# KiCad board ClockFOUR.kicad_pcb (continued)
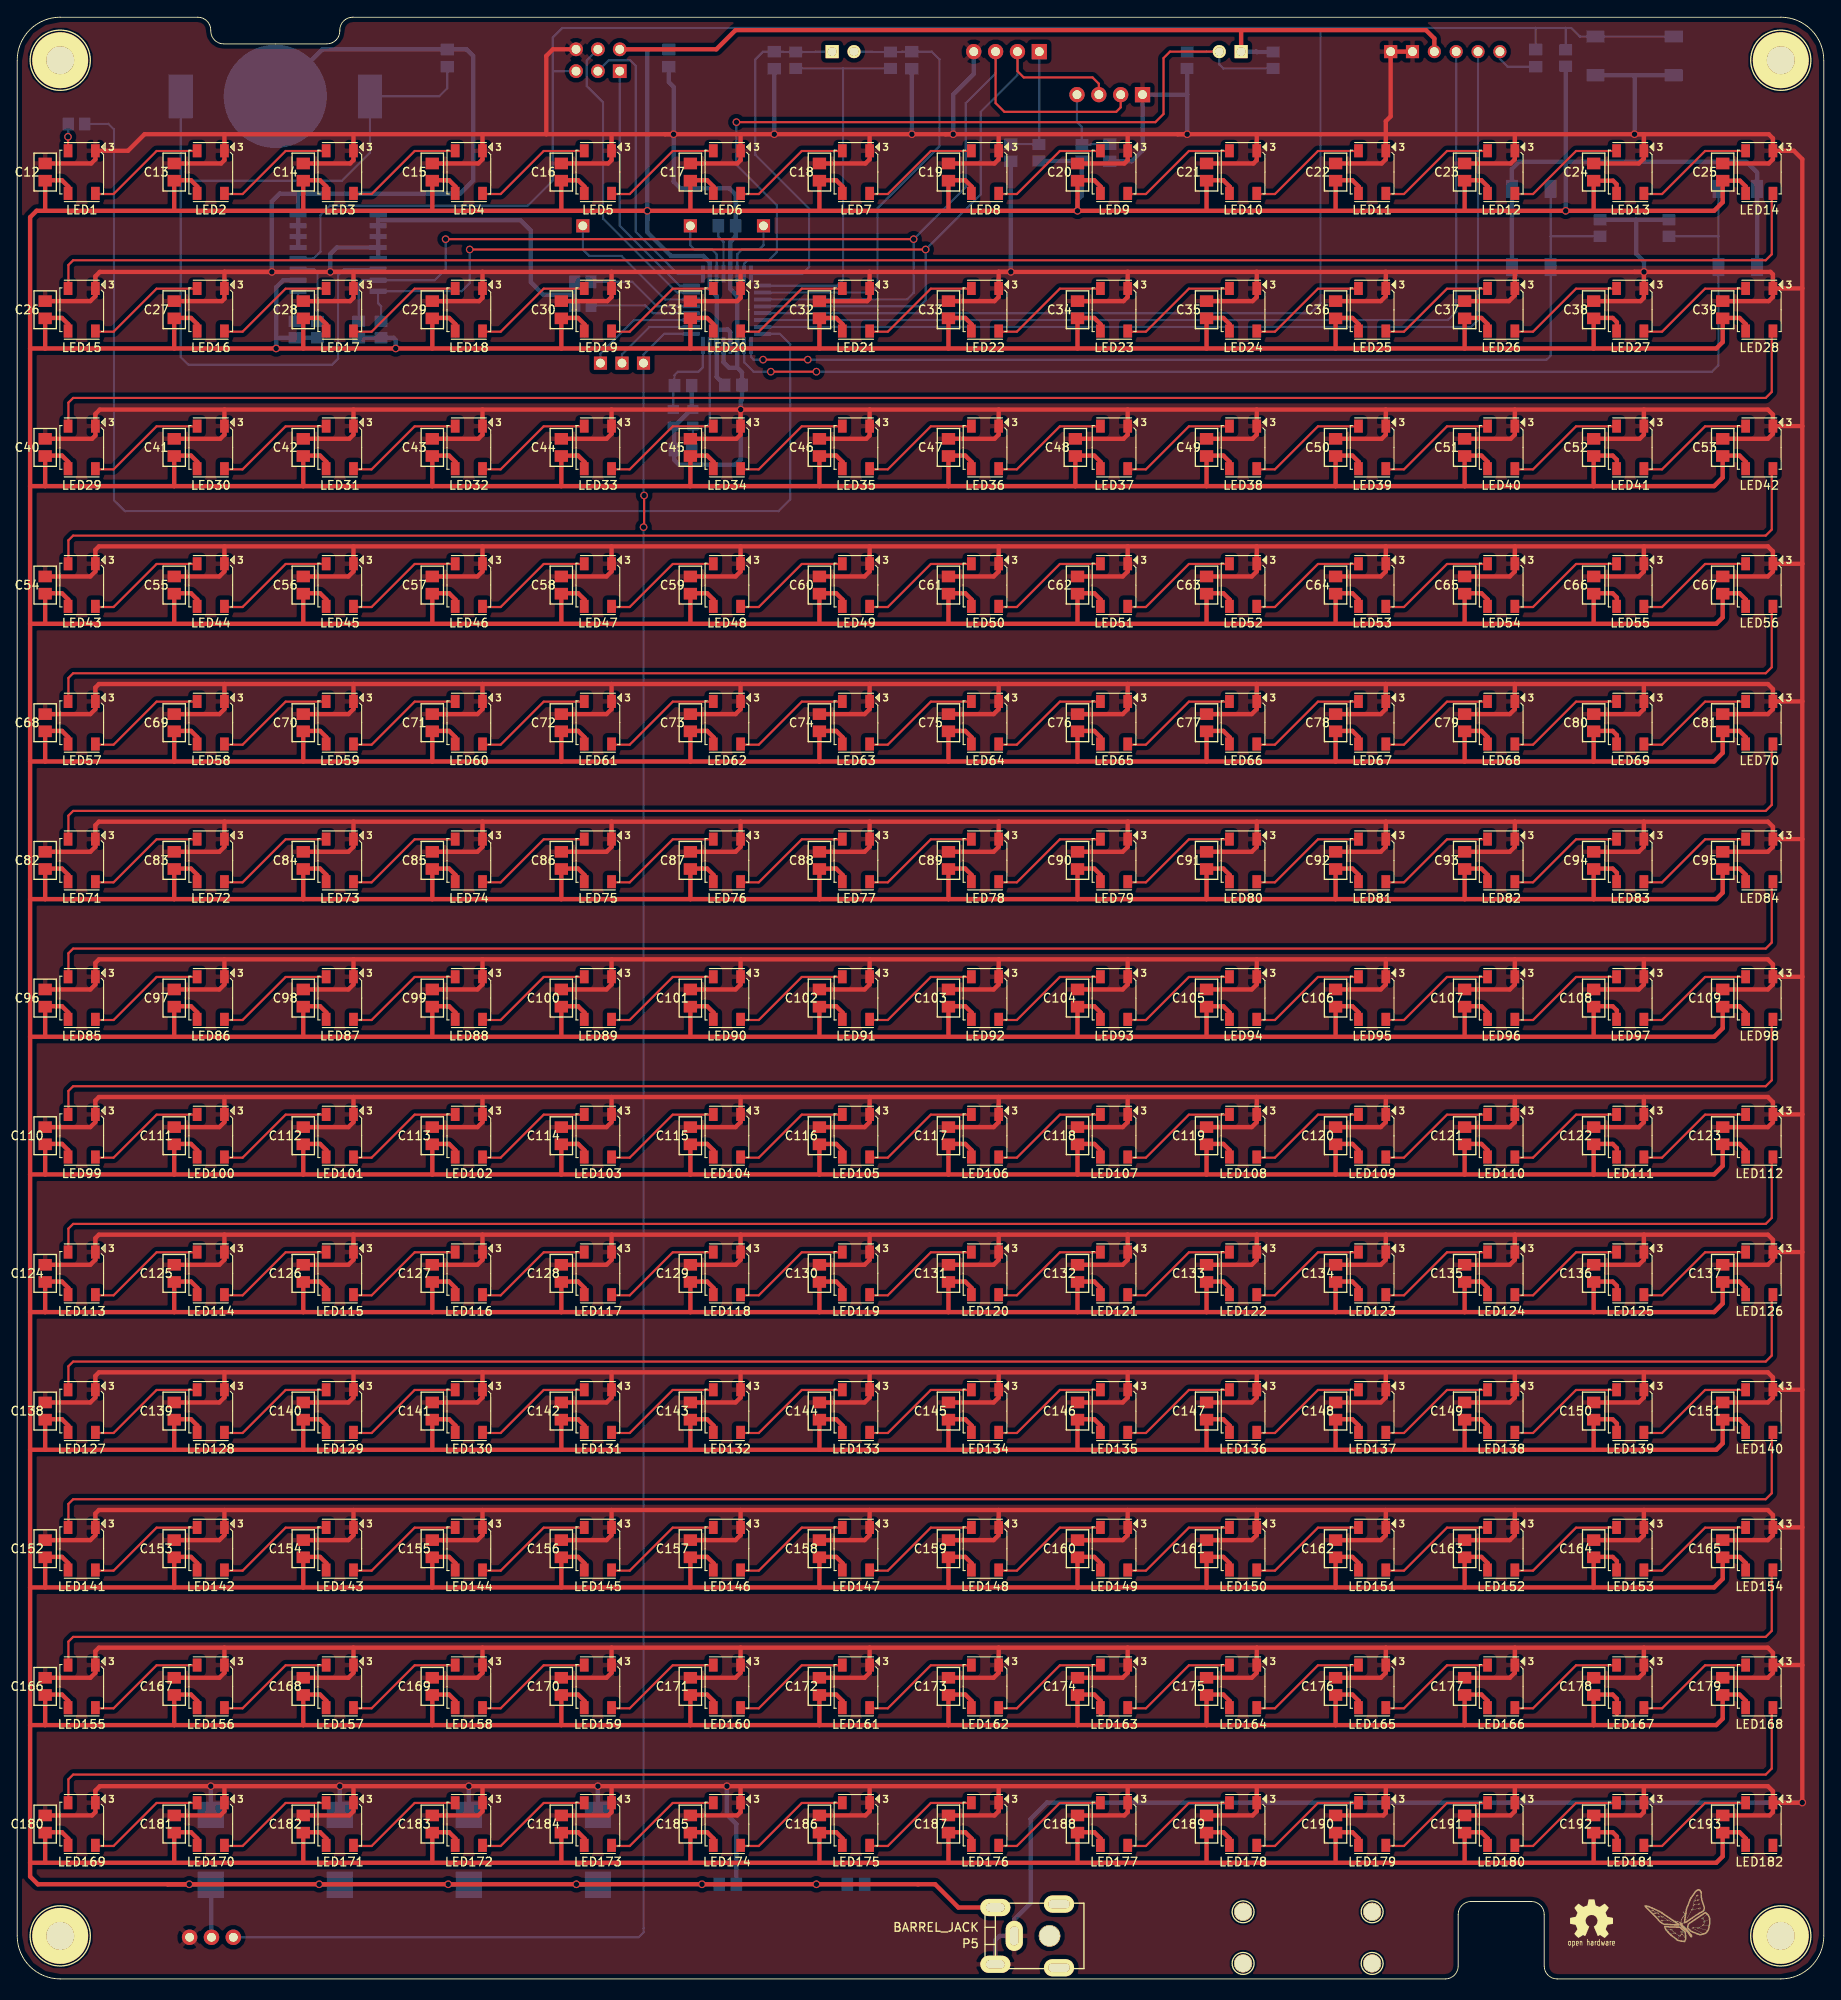
[diagram p0: board, top side]
## Placement (name value [footprint] x y rotation side) (continued)
LED5  WS2812B  [RGB_WS2811B]  67.5 210 0 top
LED6  WS2812B  [RGB_WS2811B]  82.5 210 0 top
LED7  WS2812B  [RGB_WS2811B]  97.5 210 0 top
LED8  WS2812B  [RGB_WS2811B]  112.5 210 0 top
LED9  WS2812B  [RGB_WS2811B]  127.5 210 0 top
LED10  WS2812B  [RGB_WS2811B]  142.5 210 0 top
LED11  WS2812B  [RGB_WS2811B]  157.5 210 0 top
LED12  WS2812B  [RGB_WS2811B]  172.5 210 0 top
LED13  WS2812B  [RGB_WS2811B]  187.5 210 0 top
LED14  WS2812B  [RGB_WS2811B]  202.5 210 0 top
LED15  WS2812B  [RGB_WS2811B]  7.5 194 0 top
LED16  WS2812B  [RGB_WS2811B]  22.5 194 0 top
LED17  WS2812B  [RGB_WS2811B]  37.5 194 0 top
LED18  WS2812B  [RGB_WS2811B]  52.5 194 0 top
LED19  WS2812B  [RGB_WS2811B]  67.5 194 0 top
LED20  WS2812B  [RGB_WS2811B]  82.5 194 0 top
LED21  WS2812B  [RGB_WS2811B]  97.5 194 0 top
LED22  WS2812B  [RGB_WS2811B]  112.5 194 0 top
LED23  WS2812B  [RGB_WS2811B]  127.5 194 0 top
LED24  WS2812B  [RGB_WS2811B]  142.5 194 0 top
LED25  WS2812B  [RGB_WS2811B]  157.5 194 0 top
LED26  WS2812B  [RGB_WS2811B]  172.5 194 0 top
LED27  WS2812B  [RGB_WS2811B]  187.5 194 0 top
LED28  WS2812B  [RGB_WS2811B]  202.5 194 0 top
LED29  WS2812B  [RGB_WS2811B]  7.5 178 0 top
LED30  WS2812B  [RGB_WS2811B]  22.5 178 0 top
LED31  WS2812B  [RGB_WS2811B]  37.5 178 0 top
LED32  WS2812B  [RGB_WS2811B]  52.5 178 0 top
LED33  WS2812B  [RGB_WS2811B]  67.5 178 0 top
LED34  WS2812B  [RGB_WS2811B]  82.5 178 0 top
LED35  WS2812B  [RGB_WS2811B]  97.5 178 0 top
LED36  WS2812B  [RGB_WS2811B]  112.5 178 0 top
LED37  WS2812B  [RGB_WS2811B]  127.5 178 0 top
LED38  WS2812B  [RGB_WS2811B]  142.5 178 0 top
LED39  WS2812B  [RGB_WS2811B]  157.5 178 0 top
LED40  WS2812B  [RGB_WS2811B]  172.5 178 0 top
LED41  WS2812B  [RGB_WS2811B]  187.5 178 0 top
LED42  WS2812B  [RGB_WS2811B]  202.5 178 0 top
LED43  WS2812B  [RGB_WS2811B]  7.5 162 0 top
LED44  WS2812B  [RGB_WS2811B]  22.5 162 0 top
LED45  WS2812B  [RGB_WS2811B]  37.5 162 0 top
LED46  WS2812B  [RGB_WS2811B]  52.5 162 0 top
LED47  WS2812B  [RGB_WS2811B]  67.5 162 0 top
LED48  WS2812B  [RGB_WS2811B]  82.5 162 0 top
LED49  WS2812B  [RGB_WS2811B]  97.5 162 0 top
LED50  WS2812B  [RGB_WS2811B]  112.5 162 0 top
LED51  WS2812B  [RGB_WS2811B]  127.5 162 0 top
LED52  WS2812B  [RGB_WS2811B]  142.5 162 0 top
LED53  WS2812B  [RGB_WS2811B]  157.5 162 0 top
LED54  WS2812B  [RGB_WS2811B]  172.5 162 0 top
LED55  WS2812B  [RGB_WS2811B]  187.5 162 0 top
LED56  WS2812B  [RGB_WS2811B]  202.5 162 0 top
LED57  WS2812B  [RGB_WS2811B]  7.5 146 0 top
LED58  WS2812B  [RGB_WS2811B]  22.5 146 0 top
LED59  WS2812B  [RGB_WS2811B]  37.5 146 0 top
LED60  WS2812B  [RGB_WS2811B]  52.5 146 0 top
LED61  WS2812B  [RGB_WS2811B]  67.5 146 0 top
LED62  WS2812B  [RGB_WS2811B]  82.5 146 0 top
LED63  WS2812B  [RGB_WS2811B]  97.5 146 0 top
LED64  WS2812B  [RGB_WS2811B]  112.5 146 0 top
LED65  WS2812B  [RGB_WS2811B]  127.5 146 0 top
LED66  WS2812B  [RGB_WS2811B]  142.5 146 0 top
LED67  WS2812B  [RGB_WS2811B]  157.5 146 0 top
LED68  WS2812B  [RGB_WS2811B]  172.5 146 0 top
LED69  WS2812B  [RGB_WS2811B]  187.5 146 0 top
LED70  WS2812B  [RGB_WS2811B]  202.5 146 0 top
LED71  WS2812B  [RGB_WS2811B]  7.5 130 0 top
LED72  WS2812B  [RGB_WS2811B]  22.5 130 0 top
LED73  WS2812B  [RGB_WS2811B]  37.5 130 0 top
LED74  WS2812B  [RGB_WS2811B]  52.5 130 0 top
LED75  WS2812B  [RGB_WS2811B]  67.5 130 0 top
LED76  WS2812B  [RGB_WS2811B]  82.5 130 0 top
LED77  WS2812B  [RGB_WS2811B]  97.5 130 0 top
LED78  WS2812B  [RGB_WS2811B]  112.5 130 0 top
LED79  WS2812B  [RGB_WS2811B]  127.5 130 0 top
LED80  WS2812B  [RGB_WS2811B]  142.5 130 0 top
LED81  WS2812B  [RGB_WS2811B]  157.5 130 0 top
LED82  WS2812B  [RGB_WS2811B]  172.5 130 0 top
LED83  WS2812B  [RGB_WS2811B]  187.5 130 0 top
LED84  WS2812B  [RGB_WS2811B]  202.5 130 0 top
LED85  WS2812B  [RGB_WS2811B]  7.5 114 0 top
LED86  WS2812B  [RGB_WS2811B]  22.5 114 0 top
LED87  WS2812B  [RGB_WS2811B]  37.5 114 0 top
LED88  WS2812B  [RGB_WS2811B]  52.5 114 0 top
LED89  WS2812B  [RGB_WS2811B]  67.5 114 0 top
LED90  WS2812B  [RGB_WS2811B]  82.5 114 0 top
LED91  WS2812B  [RGB_WS2811B]  97.5 114 0 top
LED92  WS2812B  [RGB_WS2811B]  112.5 114 0 top
LED93  WS2812B  [RGB_WS2811B]  127.5 114 0 top
LED94  WS2812B  [RGB_WS2811B]  142.5 114 0 top
LED95  WS2812B  [RGB_WS2811B]  157.5 114 0 top
LED96  WS2812B  [RGB_WS2811B]  172.5 114 0 top
LED97  WS2812B  [RGB_WS2811B]  187.5 114 0 top
LED98  WS2812B  [RGB_WS2811B]  202.5 114 0 top
LED99  WS2812B  [RGB_WS2811B]  7.5 98 0 top
LED100  WS2812B  [RGB_WS2811B]  22.5 98 0 top
LED101  WS2812B  [RGB_WS2811B]  37.5 98 0 top
LED102  WS2812B  [RGB_WS2811B]  52.5 98 0 top
LED103  WS2812B  [RGB_WS2811B]  67.5 98 0 top
LED104  WS2812B  [RGB_WS2811B]  82.5 98 0 top
LED105  WS2812B  [RGB_WS2811B]  97.5 98 0 top
LED106  WS2812B  [RGB_WS2811B]  112.5 98 0 top
LED107  WS2812B  [RGB_WS2811B]  127.5 98 0 top
LED108  WS2812B  [RGB_WS2811B]  142.5 98 0 top
LED109  WS2812B  [RGB_WS2811B]  157.5 98 0 top
LED110  WS2812B  [RGB_WS2811B]  172.5 98 0 top
LED111  WS2812B  [RGB_WS2811B]  187.5 98 0 top
LED112  WS2812B  [RGB_WS2811B]  202.5 98 0 top
LED113  WS2812B  [RGB_WS2811B]  7.5 82 0 top
LED114  WS2812B  [RGB_WS2811B]  22.5 82 0 top
LED115  WS2812B  [RGB_WS2811B]  37.5 82 0 top
LED116  WS2812B  [RGB_WS2811B]  52.5 82 0 top
LED117  WS2812B  [RGB_WS2811B]  67.5 82 0 top
LED118  WS2812B  [RGB_WS2811B]  82.5 82 0 top
LED119  WS2812B  [RGB_WS2811B]  97.5 82 0 top
LED120  WS2812B  [RGB_WS2811B]  112.5 82 0 top
LED121  WS2812B  [RGB_WS2811B]  127.5 82 0 top
LED122  WS2812B  [RGB_WS2811B]  142.5 82 0 top
LED123  WS2812B  [RGB_WS2811B]  157.5 82 0 top
LED124  WS2812B  [RGB_WS2811B]  172.5 82 0 top
LED125  WS2812B  [RGB_WS2811B]  187.5 82 0 top
LED126  WS2812B  [RGB_WS2811B]  202.5 82 0 top
LED127  WS2812B  [RGB_WS2811B]  7.5 66 0 top
LED128  WS2812B  [RGB_WS2811B]  22.5 66 0 top
LED129  WS2812B  [RGB_WS2811B]  37.5 66 0 top
LED130  WS2812B  [RGB_WS2811B]  52.5 66 0 top
LED131  WS2812B  [RGB_WS2811B]  67.5 66 0 top
LED132  WS2812B  [RGB_WS2811B]  82.5 66 0 top
LED133  WS2812B  [RGB_WS2811B]  97.5 66 0 top
LED134  WS2812B  [RGB_WS2811B]  112.5 66 0 top
LED135  WS2812B  [RGB_WS2811B]  127.5 66 0 top
LED136  WS2812B  [RGB_WS2811B]  142.5 66 0 top
LED137  WS2812B  [RGB_WS2811B]  157.5 66 0 top
LED138  WS2812B  [RGB_WS2811B]  172.5 66 0 top
LED139  WS2812B  [RGB_WS2811B]  187.5 66 0 top
LED140  WS2812B  [RGB_WS2811B]  202.5 66 0 top
LED141  WS2812B  [RGB_WS2811B]  7.5 50 0 top
LED142  WS2812B  [RGB_WS2811B]  22.5 50 0 top
LED143  WS2812B  [RGB_WS2811B]  37.5 50 0 top
LED144  WS2812B  [RGB_WS2811B]  52.5 50 0 top
LED145  WS2812B  [RGB_WS2811B]  67.5 50 0 top
LED146  WS2812B  [RGB_WS2811B]  82.5 50 0 top
LED147  WS2812B  [RGB_WS2811B]  97.5 50 0 top
LED148  WS2812B  [RGB_WS2811B]  112.5 50 0 top
LED149  WS2812B  [RGB_WS2811B]  127.5 50 0 top
LED150  WS2812B  [RGB_WS2811B]  142.5 50 0 top
LED151  WS2812B  [RGB_WS2811B]  157.5 50 0 top
LED152  WS2812B  [RGB_WS2811B]  172.5 50 0 top
LED153  WS2812B  [RGB_WS2811B]  187.5 50 0 top
LED154  WS2812B  [RGB_WS2811B]  202.5 50 0 top
LED155  WS2812B  [RGB_WS2811B]  7.5 34 0 top
LED156  WS2812B  [RGB_WS2811B]  22.5 34 0 top
LED157  WS2812B  [RGB_WS2811B]  37.5 34 0 top
LED158  WS2812B  [RGB_WS2811B]  52.5 34 0 top
LED159  WS2812B  [RGB_WS2811B]  67.5 34 0 top
LED160  WS2812B  [RGB_WS2811B]  82.5 34 0 top
LED161  WS2812B  [RGB_WS2811B]  97.5 34 0 top
LED162  WS2812B  [RGB_WS2811B]  112.5 34 0 top
LED163  WS2812B  [RGB_WS2811B]  127.5 34 0 top
LED164  WS2812B  [RGB_WS2811B]  142.5 34 0 top
LED165  WS2812B  [RGB_WS2811B]  157.5 34 0 top
LED166  WS2812B  [RGB_WS2811B]  172.5 34 0 top
LED167  WS2812B  [RGB_WS2811B]  187.5 34 0 top
LED168  WS2812B  [RGB_WS2811B]  202.5 34 0 top
LED169  WS2812B  [RGB_WS2811B]  7.5 18 0 top
LED170  WS2812B  [RGB_WS2811B]  22.5 18 0 top
LED171  WS2812B  [RGB_WS2811B]  37.5 18 0 top
LED172  WS2812B  [RGB_WS2811B]  52.5 18 0 top
LED173  WS2812B  [RGB_WS2811B]  67.5 18 0 top
LED174  WS2812B  [RGB_WS2811B]  82.5 18 0 top
LED175  WS2812B  [RGB_WS2811B]  97.5 18 0 top
LED176  WS2812B  [RGB_WS2811B]  112.5 18 0 top
LED177  WS2812B  [RGB_WS2811B]  127.5 18 0 top
LED178  WS2812B  [RGB_WS2811B]  142.5 18 0 top
LED179  WS2812B  [RGB_WS2811B]  157.5 18 0 top
LED180  WS2812B  [RGB_WS2811B]  172.5 18 0 top
LED181  WS2812B  [RGB_WS2811B]  187.5 18 0 top
LED182  WS2812B  [RGB_WS2811B]  202.5 18 0 top
P1  ICSP  [ISP]  67.5 223 180 bottom
P2  FTDI  [Header_FTDI]  166 224 0 bottom
P3  LDR_header  [SIL-2]  141 224 180 bottom
P4  Button_Header  [SIL-2]  96 224 0 bottom
P5  BARREL_JACK  [JACK_PJ-047a]  124 5 180 top
P6  5VEN_L  [r_0805]  123.75 212.25 90 bottom
P7  I2C_L  [STACK-L]  127 219 0 bottom
P8  5VEN_R  [r_0805]  118.75 212.25 270 bottom
P9  I2C_R  [STACK-R]  115 224 0 bottom
P10  NiL  [Header_3x1]  22.58 4.84 180 bottom
R1  470R  [r_0805]  6.9 215.6 0 bottom
R2  10K  [r_0805]  180 223.25 270 bottom
R3  1M  [r_0805]  90.5 223 90 bottom
R4  1M  [r_0805]  101.5 223 270 bottom
R5  10K  [r_0805]  136 223 90 bottom
R6  10K  [r_0805]  34.9 191.7 270 bottom
R7  10K  [r_0805]  32.3 191.7 270 bottom
R8  4K7  [r_0805]  42.3 191.7 270 bottom
R9  4K7  [r_0805]  39.7 191.7 270 bottom
R10  10K  [r_0805]  184 203.5 270 bottom
R11  10K  [r_0805]  192 203.5 270 bottom
R12  0R  [r_0805]  65.75 194.5 180 bottom
R13  0R  [r_0805]  65.75 197.25 180 bottom
S1  CONN_1  [Screw_3mm]  5 223 0 top
S2  CONN_1  [Screw_3mm]  205 223 0 top
S3  CONN_1  [Screw_3mm]  5 5 0 top
S4  CONN_1  [Screw_3mm]  205 5 0 top
S10  CONN_1  [Screw_2mm]  142.5 1.8 0 top
S11  CONN_1  [Screw_2mm]  142.5 7.8 0 top
S12  CONN_1  [Screw_2mm]  157.5 1.8 0 top
S13  CONN_1  [Screw_2mm]  157.5 7.8 0 top
SW1  SW_RST  [SW_SMD]  188 223.5 270 bottom
SW2  SW_L  [SW_SMD]  176 203.5 0 bottom
SW3  SW_R  [SW_SMD]  200 203.5 180 bottom
U1  ATMEGA328P  [TQFP32]  82.5 194 90 bottom
U2  DS3231N  [DS3231]  37.3 200.6 90 bottom
X1  16MHz  [Xtal_SMD3]  77.4 181.45 180 bottom

## Footprints (pads in the part's own frame, mm; a bottom-side part is the same pattern mirrored in y, then rotated)
BreakOutPad
  rect 1.524x1.524 hole 1.02: 1(0,0)
c_0805
  rect 1.55x1.35 smd: 1(0,1) 2(0,-1)
c_0805_led
  rect 1.55x1.35 smd: 1(0,1) 2(0,-1)
c_2917
  rect 3.048x3.048 smd: 1(4.064,0) 2(-4.064,0)
CR2032_SMD2
  rect 2.8x5.1 smd: 1(-11,0) 1(11,0)
  round 12 smd: 2(0,0)
DS3231
  rect 0.599x1.999 smd: 1(-4.445,-4.651) 2(-3.175,-4.651) 3(-1.905,-4.651) 4(-0.635,-4.651) 5(0.635,-4.651) 6(1.905,-4.651) 7(3.175,-4.651) 8(4.445,-4.651) 9(4.445,4.651) 10(3.175,4.651) 11(1.905,4.651) 12(0.635,4.651) 13(-0.635,4.651) 14(-1.905,4.651) 15(-3.175,4.651) 16(-4.445,4.651)
Header_3x1
  round 1.8 hole 1.02: 1(-2.54,0) 2(0,0) 3(2.54,0)
Header_FTDI
  rect 1.524x1.524 hole 1.02: 1(-6.35,0) 2(-3.81,0)
  round 1.524 hole 1.02: 3(-1.27,0) 4(1.27,0) 5(3.81,0) 6(6.35,0)
ISP
  rect 1.6x1.6 hole 1.02: 1(-2.54,-1.27)
  round 1.6 hole 1.02: 2(-2.54,1.27) 3(0,-1.27) 4(0,1.27) 5(2.54,-1.27) 6(2.54,1.27)
JACK_PJ-047a
  oval 3.5x2 hole 2.2x1: 1(10.3,-3.3) 3(10.3,3.3)
  oval 2x3.5 hole 1x2.2: 2(8.1,0)
  oval 3.5x2 hole 2.5x1: 4(2.9,3.7) 4(2.9,-3.7)
  round 2.5 hole 2.4: 5(4,0)
r_0805
  rect 1.3x1.499 smd: 1(0.953,0) 2(-0.953,0)
RGB_WS2811B
  rect 1.016x1.524 smd: 1(-1.587,-2.477) 2(1.587,-2.477) 3(1.587,2.477) 4(-1.587,2.477)
Screw_2mm
  round 2.1 hole 2: 1(0,0)
Screw_3mm
  round 6.5 hole 3.25: 1(0,0)
SIL-2
  rect 1.524x1.524 hole 1.02: 1(-1.27,0)
  round 1.524 hole 1.02: 2(1.27,0)
STACK-L
  round 1.778 hole 1.02: 1(-3.81,0) 2(-1.27,0) 3(1.27,0)
  rect 1.778x1.778 hole 1.02: 4(3.81,0)
STACK-R
  round 1.778 hole 1.02: 1(-3.81,0) 2(-1.27,0) 3(1.27,0)
  rect 1.778x1.778 hole 1.02: 4(3.81,0)
SW_SMD
  rect 1.4x2.1 smd: 1(-2.25,-4.55) 1(-2.25,4.55) 2(2.25,-4.55) 2(2.25,4.55)
TQFP32
  rect 1.999x0.45 smd: 1(-4.15,2.799) 2(-4.15,1.999) 3(-4.15,1.199) 4(-4.15,0.399) 5(-4.15,-0.399) 6(-4.15,-1.199) 7(-4.15,-1.999) 8(-4.15,-2.799) 17(4.15,-2.799) 18(4.15,-1.999) 19(4.15,-1.199) 20(4.15,-0.399) 21(4.15,0.399) 22(4.15,1.199) 23(4.15,1.999) 24(4.15,2.799)
  rect 0.45x1.999 smd: 9(-2.799,-4.15) 10(-1.999,-4.15) 11(-1.199,-4.15) 12(-0.399,-4.15) 13(0.399,-4.15) 14(1.199,-4.15) 15(1.999,-4.15) 16(2.799,-4.15) 25(2.799,4.15) 26(1.999,4.15) 27(1.199,4.15) 28(0.399,4.15) 29(-0.399,4.15) 30(-1.199,4.15) 31(-1.999,4.15) 32(-2.799,4.15)
Xtal_SMD3
  rect 1.3x1.049 smd: 1(-1.143,-0.953) 2(1.143,0.953) 3(-1.143,0.953) 3(1.143,-0.953)

## Nets
5V: C1.1 C8.2 C10.1 C11.1 C12.2 C13.2 C14.2 C15.2 C16.2 C17.2 C18.2 C19.2 C20.2 C21.2 C22.2 C23.2 C24.2 C25.2 C26.2 C27.2 C28.2 C29.2 C30.2 C31.2 C32.2 C33.2 C34.2 C35.2 C36.2 C37.2 C38.2 C39.2 C40.2 C41.2 C42.2 C43.2 C44.2 C45.2 C46.2 C47.2 C48.2 C49.2 C50.2 C51.2 C52.2 C53.2 C54.2 C55.2 C56.2 C57.2 C58.2 C59.2 C60.2 C61.2 C62.2 C63.2 C64.2 C65.2 C66.2 C67.2 C68.2 C69.2 C70.2 C71.2 C72.2 C73.2 C74.2 C75.2 C76.2 C77.2 C78.2 C79.2 C80.2 C81.2 C82.2 C83.2 C84.2 C85.2 C86.2 C87.2 C88.2 C89.2 C90.2 C91.2 C92.2 C93.2 C94.2 C95.2 C96.2 C97.2 C98.2 C99.2 C100.2 C101.2 C102.2 C103.2 C104.2 C105.2 C106.2 C107.2 C108.2 C109.2 C110.2 C111.2 C112.2 C113.2 C114.2 C115.2 C116.2 C117.2 C118.2 C119.2 C120.2 C121.2 C122.2 C123.2 C124.2 C125.2 C126.2 C127.2 C128.2 C129.2 C130.2 C131.2 C132.2 C133.2 C134.2 C135.2 C136.2 C137.2 C138.2 C139.2 C140.2 C141.2 C142.2 C143.2 C144.2 C145.2 C146.2 C147.2 C148.2 C149.2 C150.2 C151.2 C152.2 C153.2 C154.2 C155.2 C156.2 C157.2 C158.2 C159.2 C160.2 C161.2 C162.2 C163.2 C164.2 C165.2 C166.2 C167.2 C168.2 C169.2 C170.2 C171.2 C172.2 C173.2 C174.2 C175.2 C176.2 C177.2 C178.2 C179.2 C180.2 C181.2 C182.2 C183.2 C184.2 C185.2 C186.2 C187.2 C188.2 C189.2 C190.2 C191.2 C192.2 C193.2 C194.1 C195.1 C196.1 C199.1 LDR1.1 LED1.1 LED2.1 LED3.1 LED4.1 LED5.1 LED6.1 LED7.1 LED8.1 LED9.1 LED10.1 LED11.1 LED12.1 LED13.1 LED14.1 LED15.1 LED16.1 LED17.1 LED18.1 LED19.1 LED20.1 LED21.1 LED22.1 LED23.1 LED24.1 LED25.1 LED26.1 LED27.1 LED28.1 LED29.1 LED30.1 LED31.1 LED32.1 LED33.1 LED34.1 LED35.1 LED36.1 LED37.1 LED38.1 LED39.1 LED40.1 LED41.1 LED42.1 LED43.1 LED44.1 LED45.1 LED46.1 LED47.1 LED48.1 LED49.1 LED50.1 LED51.1 LED52.1 LED53.1 LED54.1 LED55.1 LED56.1 LED57.1 LED58.1 LED59.1 LED60.1 LED61.1 LED62.1 LED63.1 LED64.1 LED65.1 LED66.1 LED67.1 LED68.1 LED69.1 LED70.1 LED71.1 LED72.1 LED73.1 LED74.1 LED75.1 LED76.1 LED77.1 LED78.1 LED79.1 LED80.1 LED81.1 LED82.1 LED83.1 LED84.1 LED85.1 LED86.1 LED87.1 LED88.1 LED89.1 LED90.1 LED91.1 LED92.1 LED93.1 LED94.1 LED95.1 LED96.1 LED97.1 LED98.1 LED99.1 LED100.1 LED101.1 LED102.1 LED103.1 LED104.1 LED105.1 LED106.1 LED107.1 LED108.1 LED109.1 LED110.1 LED111.1 LED112.1 LED113.1 LED114.1 LED115.1 LED116.1 LED117.1 LED118.1 LED119.1 LED120.1 LED121.1 LED122.1 LED123.1 LED124.1 LED125.1 LED126.1 LED127.1 LED128.1 LED129.1 LED130.1 LED131.1 LED132.1 LED133.1 LED134.1 LED135.1 LED136.1 LED137.1 LED138.1 LED139.1 LED140.1 LED141.1 LED142.1 LED143.1 LED144.1 LED145.1 LED146.1 LED147.1 LED148.1 LED149.1 LED150.1 LED151.1 LED152.1 LED153.1 LED154.1 LED155.1 LED156.1 LED157.1 LED158.1 LED159.1 LED160.1 LED161.1 LED162.1 LED163.1 LED164.1 LED165.1 LED166.1 LED167.1 LED168.1 LED169.1 LED170.1 LED171.1 LED172.1 LED173.1 LED174.1 LED175.1 LED176.1 LED177.1 LED178.1 LED179.1 LED180.1 LED181.1 LED182.1 P1.2 P2.3 P3.1 P5.1 P6.2 P8.1 P10.2 R2.1 R6.1 R7.1 R8.1 R9.1 SW2.1 SW3.1 U1.4 U1.6 U1.18 U2.2
/5V_L: C197.1 P6.1 P7.1
/5V_R: C198.1 P8.2 P9.4
GND: BT1.2 C1.2 C2.2 C3.2 C4.2 C5.2 C7.1 C8.1 C9.2 C10.2 C11.2 C12.1 C13.1 C14.1 C15.1 C16.1 C17.1 C18.1 C19.1 C20.1 C21.1 C22.1 C23.1 C24.1 C25.1 C26.1 C27.1 C28.1 C29.1 C30.1 C31.1 C32.1 C33.1 C34.1 C35.1 C36.1 C37.1 C38.1 C39.1 C40.1 C41.1 C42.1 C43.1 C44.1 C45.1 C46.1 C47.1 C48.1 C49.1 C50.1 C51.1 C52.1 C53.1 C54.1 C55.1 C56.1 C57.1 C58.1 C59.1 C60.1 C61.1 C62.1 C63.1 C64.1 C65.1 C66.1 C67.1 C68.1 C69.1 C70.1 C71.1 C72.1 C73.1 C74.1 C75.1 C76.1 C77.1 C78.1 C79.1 C80.1 C81.1 C82.1 C83.1 C84.1 C85.1 C86.1 C87.1 C88.1 C89.1 C90.1 C91.1 C92.1 C93.1 C94.1 C95.1 C96.1 C97.1 C98.1 C99.1 C100.1 C101.1 C102.1 C103.1 C104.1 C105.1 C106.1 C107.1 C108.1 C109.1 C110.1 C111.1 C112.1 C113.1 C114.1 C115.1 C116.1 C117.1 C118.1 C119.1 C120.1 C121.1 C122.1 C123.1 C124.1 C125.1 C126.1 C127.1 C128.1 C129.1 C130.1 C131.1 C132.1 C133.1 C134.1 C135.1 C136.1 C137.1 C138.1 C139.1 C140.1 C141.1 C142.1 C143.1 C144.1 C145.1 C146.1 C147.1 C148.1 C149.1 C150.1 C151.1 C152.1 C153.1 C154.1 C155.1 C156.1 C157.1 C158.1 C159.1 C160.1 C161.1 C162.1 C163.1 C164.1 C165.1 C166.1 C167.1 C168.1 C169.1 C170.1 C171.1 C172.1 C173.1 C174.1 C175.1 C176.1 C177.1 C178.1 C179.1 C180.1 C181.1 C182.1 C183.1 C184.1 C185.1 C186.1 C187.1 C188.1 C189.1 C190.1 C191.1 C192.1 C193.1 C194.2 C195.2 C196.2 C197.2 C198.2 C199.2 LED1.3 LED2.3 LED3.3 LED4.3 LED5.3 LED6.3 LED7.3 LED8.3 LED9.3 LED10.3 LED11.3 LED12.3 LED13.3 LED14.3 LED15.3 LED16.3 LED17.3 LED18.3 LED19.3 LED20.3 LED21.3 LED22.3 LED23.3 LED24.3 LED25.3 LED26.3 LED27.3 LED28.3 LED29.3 LED30.3 LED31.3 LED32.3 LED33.3 LED34.3 LED35.3 LED36.3 LED37.3 LED38.3 LED39.3 LED40.3 LED41.3 LED42.3 LED43.3 LED44.3 LED45.3 LED46.3 LED47.3 LED48.3 LED49.3 LED50.3 LED51.3 LED52.3 LED53.3 LED54.3 LED55.3 LED56.3 LED57.3 LED58.3 LED59.3 LED60.3 LED61.3 LED62.3 LED63.3 LED64.3 LED65.3 LED66.3 LED67.3 LED68.3 LED69.3 LED70.3 LED71.3 LED72.3 LED73.3 LED74.3 LED75.3 LED76.3 LED77.3 LED78.3 LED79.3 LED80.3 LED81.3 LED82.3 LED83.3 LED84.3 LED85.3 LED86.3 LED87.3 LED88.3 LED89.3 LED90.3 LED91.3 LED92.3 LED93.3 LED94.3 LED95.3 LED96.3 LED97.3 LED98.3 LED99.3 LED100.3 LED101.3 LED102.3 LED103.3 LED104.3 LED105.3 LED106.3 LED107.3 LED108.3 LED109.3 LED110.3 LED111.3 LED112.3 LED113.3 LED114.3 LED115.3 LED116.3 LED117.3 LED118.3 LED119.3 LED120.3 LED121.3 LED122.3 LED123.3 LED124.3 LED125.3 LED126.3 LED127.3 LED128.3 LED129.3 LED130.3 LED131.3 LED132.3 LED133.3 LED134.3 LED135.3 LED136.3 LED137.3 LED138.3 LED139.3 LED140.3 LED141.3 LED142.3 LED143.3 LED144.3 LED145.3 LED146.3 LED147.3 LED148.3 LED149.3 LED150.3 LED151.3 LED152.3 LED153.3 LED154.3 LED155.3 LED156.3 LED157.3 LED158.3 LED159.3 LED160.3 LED161.3 LED162.3 LED163.3 LED164.3 LED165.3 LED166.3 LED167.3 LED168.3 LED169.3 LED170.3 LED171.3 LED172.3 LED173.3 LED174.3 LED175.3 LED176.3 LED177.3 LED178.3 LED179.3 LED180.3 LED181.3 LED182.3 P1.6 P2.1 P2.2 P5.2 P5.3 P7.4 P9.1 P10.3 R5.2 R10.2 R11.2 R12.1 R13.1 SW1.2 U1.3 U1.5 U1.21 U2.5 U2.6 U2.7 U2.8 U2.9 U2.10 U2.11 U2.12 U2.13 X1.3
/A6: A6.1 U1.19
/A7: A7.1 U1.22
/AREF: C3.1 U1.20
/B2: B2.1 U1.14
/BAT: BT1.1 C9.1 U2.14
/BUTTON_L: C2.1 P4.1 R3.1 U1.24
/BUTTON_R: C4.1 P4.2 R4.2 U1.26
/D5: D5.1 P10.1 U1.9
/D6: D6.1 U1.10
/D7: D7.1 U1.11
/LDR_PIN: LDR1.2 P3.2 R5.1 U1.23
/MATRIX_PIN: R1.1 U1.32
/MISO: P1.1 U1.16
/MOSI: P1.4 U1.15
/RESET: C6.1 P1.5 R2.2 SW1.1 U1.29 U2.4
/Row_A/DI_A: LED1.4 R1.2
/Row_B/DI_B: LED14.2 LED15.4
/Row_C/DI_C: LED28.2 LED29.4
/Row_D/DI_D: LED42.2 LED43.4
/Row_E/DI_E: LED56.2 LED57.4
/Row_F/DI_F: LED70.2 LED71.4
/Row_G/DI_G: LED84.2 LED85.4
/Row_H/DI_H: LED98.2 LED99.4
/Row_I/DI_I: LED112.2 LED113.4
/Row_J/DI_J: LED126.2 LED127.4
/Row_K/DI_K: LED140.2 LED141.4
/Row_L/DI_L: LED154.2 LED155.4
/Row_M/DI_M: LED168.2 LED169.4
/RXD: P2.4 U1.30
/SCK: P1.3 U1.17
/SCL: P7.2 P9.3 R8.2 U1.28 U2.16
/SDA: P7.3 P9.2 R9.2 U1.27 U2.15
/SENSE_PIN: R3.2 R4.1 U1.25
/SW_L: R10.1 SW2.2 U1.1
/SW_R: R11.1 SW3.2 U1.2
/TXD: P2.5 U1.31
Net-(C5-Pad1): C5.1 U1.7 X1.1
Net-(C6-Pad2): C6.2 P2.6
Net-(C7-Pad2): C7.2 U1.8 X1.2
Net-(LED1-Pad2): LED1.2 LED2.4
Net-(LED2-Pad2): LED2.2 LED3.4
Net-(LED3-Pad2): LED3.2 LED4.4
Net-(LED4-Pad2): LED4.2 LED5.4
Net-(LED5-Pad2): LED5.2 LED6.4
Net-(LED6-Pad2): LED6.2 LED7.4
Net-(LED7-Pad2): LED7.2 LED8.4
Net-(LED8-Pad2): LED8.2 LED9.4
Net-(LED10-Pad2): LED10.2 LED11.4
Net-(LED10-Pad4): LED9.2 LED10.4
Net-(LED11-Pad2): LED11.2 LED12.4
Net-(LED12-Pad2): LED12.2 LED13.4
Net-(LED13-Pad2): LED13.2 LED14.4
Net-(LED15-Pad2): LED15.2 LED16.4
Net-(LED16-Pad2): LED16.2 LED17.4
Net-(LED17-Pad2): LED17.2 LED18.4
Net-(LED18-Pad2): LED18.2 LED19.4
Net-(LED19-Pad2): LED19.2 LED20.4
Net-(LED20-Pad2): LED20.2 LED21.4
Net-(LED21-Pad2): LED21.2 LED22.4
Net-(LED22-Pad2): LED22.2 LED23.4
Net-(LED23-Pad2): LED23.2 LED24.4
Net-(LED24-Pad2): LED24.2 LED25.4
Net-(LED25-Pad2): LED25.2 LED26.4
Net-(LED26-Pad2): LED26.2 LED27.4
Net-(LED27-Pad2): LED27.2 LED28.4
Net-(LED29-Pad2): LED29.2 LED30.4
Net-(LED30-Pad2): LED30.2 LED31.4
Net-(LED31-Pad2): LED31.2 LED32.4
Net-(LED32-Pad2): LED32.2 LED33.4
Net-(LED33-Pad2): LED33.2 LED34.4
Net-(LED34-Pad2): LED34.2 LED35.4
Net-(LED35-Pad2): LED35.2 LED36.4
Net-(LED36-Pad2): LED36.2 LED37.4
Net-(LED37-Pad2): LED37.2 LED38.4
Net-(LED38-Pad2): LED38.2 LED39.4
Net-(LED39-Pad2): LED39.2 LED40.4
Net-(LED40-Pad2): LED40.2 LED41.4
Net-(LED41-Pad2): LED41.2 LED42.4
Net-(LED43-Pad2): LED43.2 LED44.4
Net-(LED44-Pad2): LED44.2 LED45.4
Net-(LED45-Pad2): LED45.2 LED46.4
Net-(LED46-Pad2): LED46.2 LED47.4
Net-(LED47-Pad2): LED47.2 LED48.4
Net-(LED48-Pad2): LED48.2 LED49.4
Net-(LED49-Pad2): LED49.2 LED50.4
Net-(LED50-Pad2): LED50.2 LED51.4
Net-(LED51-Pad2): LED51.2 LED52.4
Net-(LED52-Pad2): LED52.2 LED53.4
Net-(LED53-Pad2): LED53.2 LED54.4
Net-(LED54-Pad2): LED54.2 LED55.4
Net-(LED55-Pad2): LED55.2 LED56.4
Net-(LED57-Pad2): LED57.2 LED58.4
Net-(LED58-Pad2): LED58.2 LED59.4
Net-(LED59-Pad2): LED59.2 LED60.4
Net-(LED60-Pad2): LED60.2 LED61.4
Net-(LED61-Pad2): LED61.2 LED62.4
Net-(LED62-Pad2): LED62.2 LED63.4
Net-(LED63-Pad2): LED63.2 LED64.4
Net-(LED64-Pad2): LED64.2 LED65.4
Net-(LED65-Pad2): LED65.2 LED66.4
Net-(LED66-Pad2): LED66.2 LED67.4
Net-(LED67-Pad2): LED67.2 LED68.4
Net-(LED68-Pad2): LED68.2 LED69.4
Net-(LED69-Pad2): LED69.2 LED70.4
Net-(LED71-Pad2): LED71.2 LED72.4
Net-(LED72-Pad2): LED72.2 LED73.4
Net-(LED73-Pad2): LED73.2 LED74.4
Net-(LED74-Pad2): LED74.2 LED75.4
Net-(LED75-Pad2): LED75.2 LED76.4
Net-(LED76-Pad2): LED76.2 LED77.4
Net-(LED77-Pad2): LED77.2 LED78.4
Net-(LED78-Pad2): LED78.2 LED79.4
Net-(LED79-Pad2): LED79.2 LED80.4
Net-(LED80-Pad2): LED80.2 LED81.4
Net-(LED81-Pad2): LED81.2 LED82.4
Net-(LED82-Pad2): LED82.2 LED83.4
Net-(LED83-Pad2): LED83.2 LED84.4
Net-(LED85-Pad2): LED85.2 LED86.4
Net-(LED86-Pad2): LED86.2 LED87.4
Net-(LED87-Pad2): LED87.2 LED88.4
Net-(LED88-Pad2): LED88.2 LED89.4
Net-(LED89-Pad2): LED89.2 LED90.4
Net-(LED90-Pad2): LED90.2 LED91.4
Net-(LED91-Pad2): LED91.2 LED92.4
Net-(LED92-Pad2): LED92.2 LED93.4
Net-(LED93-Pad2): LED93.2 LED94.4
Net-(LED94-Pad2): LED94.2 LED95.4
Net-(LED95-Pad2): LED95.2 LED96.4
Net-(LED96-Pad2): LED96.2 LED97.4
Net-(LED97-Pad2): LED97.2 LED98.4
Net-(LED100-Pad2): LED100.2 LED101.4
Net-(LED100-Pad4): LED99.2 LED100.4
Net-(LED101-Pad2): LED101.2 LED102.4
Net-(LED102-Pad2): LED102.2 LED103.4
Net-(LED103-Pad2): LED103.2 LED104.4
Net-(LED104-Pad2): LED104.2 LED105.4
Net-(LED105-Pad2): LED105.2 LED106.4
Net-(LED106-Pad2): LED106.2 LED107.4
Net-(LED107-Pad2): LED107.2 LED108.4
Net-(LED108-Pad2): LED108.2 LED109.4
Net-(LED109-Pad2): LED109.2 LED110.4
Net-(LED110-Pad2): LED110.2 LED111.4
Net-(LED111-Pad2): LED111.2 LED112.4
Net-(LED113-Pad2): LED113.2 LED114.4
Net-(LED114-Pad2): LED114.2 LED115.4
Net-(LED115-Pad2): LED115.2 LED116.4
Net-(LED116-Pad2): LED116.2 LED117.4
Net-(LED117-Pad2): LED117.2 LED118.4
Net-(LED118-Pad2): LED118.2 LED119.4
Net-(LED119-Pad2): LED119.2 LED120.4
Net-(LED120-Pad2): LED120.2 LED121.4
Net-(LED121-Pad2): LED121.2 LED122.4
Net-(LED122-Pad2): LED122.2 LED123.4
Net-(LED123-Pad2): LED123.2 LED124.4
Net-(LED124-Pad2): LED124.2 LED125.4
Net-(LED125-Pad2): LED125.2 LED126.4
Net-(LED127-Pad2): LED127.2 LED128.4
Net-(LED128-Pad2): LED128.2 LED129.4
Net-(LED129-Pad2): LED129.2 LED130.4